# Altium PCB SJ2096POE.PcbDoc (part 1 of 5) (continued)
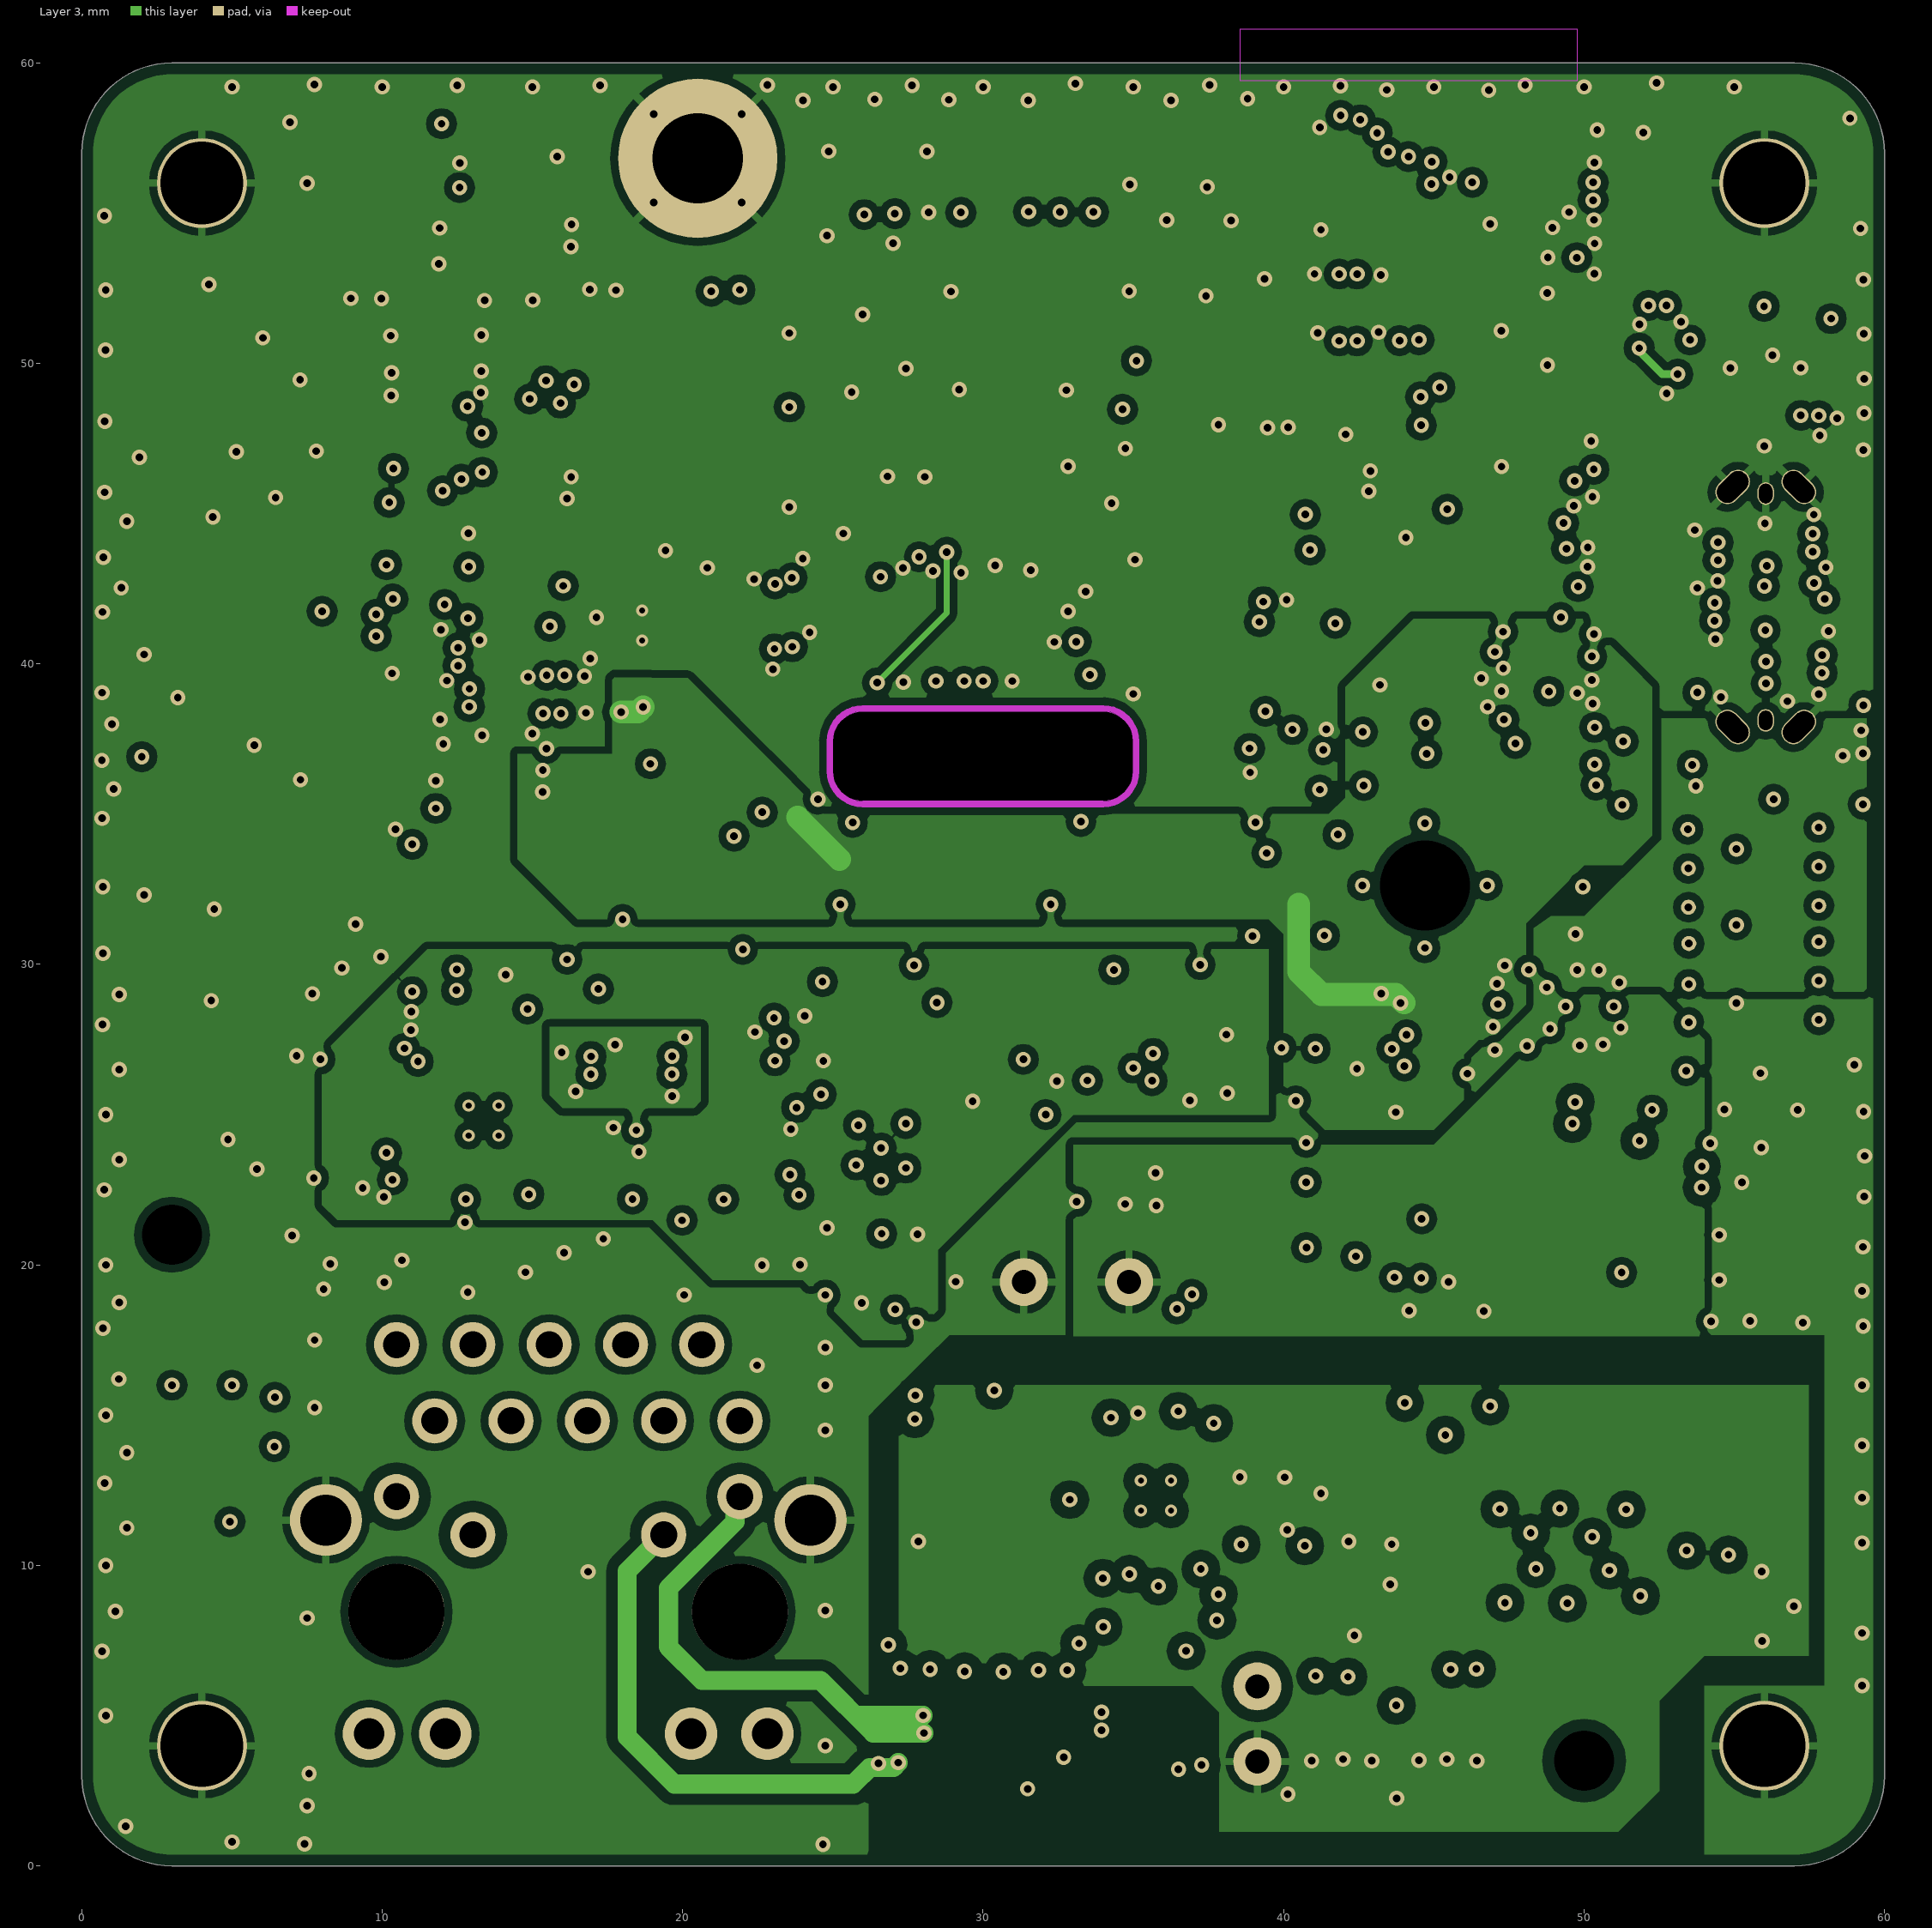
[diagram p3: Layer 3]

## Layer stack, top to bottom
Top Solder: solder mask 0.015, Solder Resist, Dk 3.8
Top Layer: signal copper 0.043
Dielectric 1: prepreg 0.21, FR-4, Dk 4.2
Layer 2: signal copper 0.036
Dielectric 2: core 1, FR-4, Dk 4.2
Layer 3: signal copper 0.036
Dielectric 3: prepreg 0.21, FR-4, Dk 4.2
Bottom Layer: signal copper 0.043
Bottom Solder: solder mask 0.015, Solder Resist, Dk 3.8

## Board outline
0,3 0,57 cw(c3,57) 3,60 57,60 cw(c57,57) 60,57 60,3 cw(c57,3) 57,0 3,0 cw(c3,3)

## Design rules (kind name [scope] priority, off if disabled: settings)
AssemblyTestPointUsage [All] p1: valid=2
BoardOutlineClearance [All] p1: gap=0.381 ignorepadtopadclearanceinfootprint=FALSE
Clearance Diff_Pair_Spacing [(InDifferentialPairClass('All Differential Pairs'))] p1: gap=0.102 ignorepadtopadclearanceinfootprint=TRUE except(0.089: Via-Via; 0.254: SMDPad-Poly THPad-Poly Via-Poly; 0.508: Arc-Poly Track-Poly Fill-Poly Poly-Poly)
Clearance PoE [InNetClass('PoE')] p2: gap=0.254 ignorepadtopadclearanceinfootprint=TRUE except(0.102: Track-SMDPad; 0.203: Arc-Track Track-Track; 0.381: Arc-Poly Track-Poly SMDPad-Poly THPad-Poly Via-Poly Fill-Poly Poly-Poly)
Clearance general [All] p3: gap=0.102 ignorepadtopadclearanceinfootprint=FALSE except(0.254: Arc-Poly Track-Poly SMDPad-Poly THPad-Poly Via-Poly Fill-Poly Poly-Poly Poly-Region Poly-Text Poly-Hole)
ComponentClearance [All] p1: gap=0 collisioncheckmode=3 verticalgap=0 showdistances=FALSE
DiffPairsRouting 85ohm [InDifferentialPairClass('85ohm')] p1: maxlimit=0.127 minlimit=0.102 mostfreqgap=0.102 toplayer_maxgap=0.102 toplayer_minwidth=0.223 toplayer_maxwidth=0.262 toplayer_prefwidth=0.223 midlayer1_maxgap=0.102 midlayer1_minwidth=0.11 midlayer1_maxwidth=0.134 midlayer1_prefwidth=0.11 midlayer2_minwidth=0.11 midlayer2_maxwidth=0.146 midlayer2_prefwidth=0.11 bottomlayer_maxgap=0.102 bottomlayer_minwidth=0.223 bottomlayer_maxwidth=0.262 bottomlayer_prefwidth=0.223 impedanceprofiledriven=TRUE impedanceprofileid={B2EF6B95-9841-4F3D-8FFB-9271AE929084} impedanceprofilevalue=85.000000 maxuncoupledlength=12.7
DiffPairsRouting 90ohm [InDifferentialPairClass('USB3')] p2: maxlimit=0.127 minlimit=0.102 mostfreqgap=0.102 toplayer_maxgap=0.102 toplayer_minwidth=0.178 toplayer_maxwidth=0.22 toplayer_prefwidth=0.178 midlayer1_maxgap=0.102 midlayer1_minwidth=0.087 midlayer1_maxwidth=0.107 midlayer1_prefwidth=0.087 midlayer2_minwidth=0.087 midlayer2_maxwidth=0.118 midlayer2_prefwidth=0.087 bottomlayer_maxgap=0.102 bottomlayer_minwidth=0.178 bottomlayer_maxwidth=0.22 bottomlayer_prefwidth=0.178 impedanceprofiledriven=TRUE impedanceprofileid={C56245C1-C5AB-4F6E-A437-C06DDAA5154F} impedanceprofilevalue=90.000000 maxuncoupledlength=12.7
DiffPairsRouting 100ohm [InDifferentialPairClass('100ohm')] p3: maxlimit=0.127 minlimit=0.102 mostfreqgap=0.102 toplayer_minwidth=0.13 toplayer_maxwidth=0.206 toplayer_prefwidth=0.13 midlayer1_minwidth=0.066 midlayer1_maxwidth=0.104 midlayer1_prefwidth=0.066 midlayer2_minwidth=0.066 midlayer2_maxwidth=0.104 midlayer2_prefwidth=0.066 bottomlayer_minwidth=0.13 bottomlayer_maxwidth=0.206 bottomlayer_prefwidth=0.13 impedanceprofiledriven=TRUE impedanceprofileid={CE2D0F07-EA82-46F5-BFF9-666C77EE5118} impedanceprofilevalue=100.000000 maxuncoupledlength=12.7
FabricationTestPointUsage [All] p1: valid=2 allowmultiple=FALSE
HoleSize [All] p1: absolutevalues=TRUE maxlimit=3.81 minlimit=0.025 maxpercent=80.000 minpercent=20.000
HoleToHoleClearance [All] p1: gap=0.254 allowstackedmicrovias=FALSE
MatchedLengths USBD_XSIG [InxSignalClass('USBD')] p1: tolerance=1.27 checknetsindiffpair=TRUE checkdiffpairvsdiffpair=FALSE checkxsignals=FALSE checkothers=FALSE
MatchedLengths USBRX_XSIG [InxSignalClass('USBRX')] p2: tolerance=0.127 checknetsindiffpair=TRUE checkdiffpairvsdiffpair=FALSE checkxsignals=FALSE checkothers=FALSE
MatchedLengths USBTX_XSIG [InxSignalClass('USBTX')] p3: tolerance=0.127 checknetsindiffpair=TRUE checkdiffpairvsdiffpair=FALSE checkxsignals=FALSE checkothers=FALSE
MatchedLengths SPI [InNetClass('QSPI')] p4: tolerance=25.4 checknetsindiffpair=FALSE checkdiffpairvsdiffpair=TRUE checkxsignals=TRUE checkothers=TRUE usedelayunits=TRUE delaytolerance=10.000000
MatchedLengths SDIO [InNetClass('SDIO')] p5: tolerance=25.4 checknetsindiffpair=FALSE checkdiffpairvsdiffpair=TRUE checkxsignals=TRUE checkothers=TRUE usedelayunits=TRUE delaytolerance=10.000000
MatchedLengths MIPI_A [InNetClass('MIPI_CAM_A')] p6: tolerance=25.4 checknetsindiffpair=FALSE checkdiffpairvsdiffpair=TRUE checkxsignals=TRUE checkothers=TRUE usedelayunits=TRUE delaytolerance=1.000000
MatchedLengths DIFF_PAIR [(InDifferentialPairClass('100ohm') or InDifferentialPairClass('85ohm'))] p7: tolerance=0.127 checknetsindiffpair=TRUE checkdiffpairvsdiffpair=FALSE checkxsignals=FALSE checkothers=FALSE
MinimumSolderMaskSliver USB3_Connector [HasFootprint('105450-0101') OR HasFootprint('TPD4E02B04DQAR')] p1: minsoldermaskwidth=0.003
MinimumSolderMaskSliver RTL8111 [HasFootprint('RTL8111HX-CG')] p2: minsoldermaskwidth=0.003
MinimumSolderMaskSliver [All] p3: minsoldermaskwidth=0.076
PlaneConnect [All] p1: pad.planeconnectstyle=Relief pad.reliefexpansion=0.508 pad.reliefentries=4 pad.reliefconductorwidth=0.254 pad.reliefairgap=0.254 via.planeconnectstyle=Direct via.reliefexpansion=0.508 via.reliefentries=4 via.reliefconductorwidth=0.254 via.reliefairgap=0.254
PolygonConnect DirectConnect [InPolygonClass('DirectConnectPoly')] p1: connectstyle=Direct reliefconductorwidth=0.254 reliefentries=4 polygonreliefangle="90 Angle" airgapwidth=0.254
PolygonConnect OuterLayerGND_PolyClass [InPolygonClass('OuterLayerGND')] p2: thpad.connectstyle=Relief thpad.reliefconductorwidth=0.254 thpad.reliefentries=4 thpad.polygonreliefangle="90 Angle" thpad.airgapwidth=0.254 smdpad.connectstyle=Relief smdpad.reliefconductorwidth=0.254 smdpad.reliefentries=4 smdpad.polygonreliefangle="90 Angle" smdpad.airgapwidth=0.254 via.connectstyle=Direct via.reliefconductorwidth=0.254 via.reliefentries=4 via.polygonreliefangle="90 Angle" via.airgapwidth=0.254
PolygonConnect PoE_Poly [InPolygonClass('PoE_Poly')] p3: thpad.connectstyle=Direct thpad.reliefconductorwidth=0.254 thpad.reliefentries=4 thpad.polygonreliefangle="90 Angle" thpad.airgapwidth=0.254 smdpad.connectstyle=Relief smdpad.reliefconductorwidth=0.254 smdpad.reliefentries=4 smdpad.polygonreliefangle="90 Angle" smdpad.airgapwidth=0.254 via.connectstyle=Direct via.reliefconductorwidth=0.254 via.reliefentries=4 via.polygonreliefangle="90 Angle" via.airgapwidth=0.254
PolygonConnect Default [All] p4: thpad.connectstyle=Relief thpad.reliefconductorwidth=0.254 thpad.reliefentries=4 thpad.polygonreliefangle="90 Angle" thpad.airgapwidth=0.254 smdpad.connectstyle=Relief smdpad.reliefconductorwidth=0.254 smdpad.reliefentries=4 smdpad.polygonreliefangle="90 Angle" smdpad.airgapwidth=0.254 via.connectstyle=Direct via.reliefconductorwidth=0.254 via.reliefentries=4 via.polygonreliefangle="90 Angle" via.airgapwidth=0.254
RoutingVias [All] p1: holewidth=0.254 width=0.508 viastyle="Through Hole" minholewidth=0.203 minwidth=0.406 maxholewidth=25.4 maxwidth=25.4 viatemplateguid#1={A1903244-CB7C-4A2A-95EA-261E7733D27A} viatemplatename#1=v41h20m0mx0
SilkToSilkClearance [All] p1: silktosilkclearance=0.025
SilkToSolderMaskClearance SilkscreenOverComponentPads2 [InComponent('U14')  OR InComponent('U1')] p1: minsilkscreentomaskgap=0.076 clearancetoexposedcopper=TRUE
SilkToSolderMaskClearance SilkscreenOverComponentPads [IsPad] p2: minsilkscreentomaskgap=0.127 clearancetoexposedcopper=TRUE
SolderMaskExpansion [All] p1: expansion=0.051 istentingtop=FALSE
UnRoutedNet [All] p1: checkbadconnections=TRUE
Width "Schematic Width Constraint_1" [InNetClass('PoE')] p1: maxlimit=1.27 minlimit=0.102 preferedwidth=0.381
Width [All] p2: maxlimit=2.54 minlimit=0.102 preferedwidth=0.152
19 further rules are at their usual default settings.

## Classes and differential pairs
component class U_RJ45: C50 D8 D9 D16 D17 D18 J1 R57 R58 R59
component class U_POWER_GEN: C10 C12 C13 C14 C17 C35 C56 C57 C58 C59 C60 L3 R68 R69 R70 R71 TP3 TP4 TP14 TP15 TP16 TP17 TP18 TP19 TP20 TP21 U9 U10 U11 U12 U13 U14
component class U_PoE_Si3404: C1 C2 C3 C4 C5 C6 C7 C8 C9 C11 C22 C23 C24 C25 C26 C33 D2 D4 D5 FB2 FB3 L1 R3 R4 R5 R8 R10 R11 R12 R13 R14 R15 R17 R18 R24 T1 TP5 TP6 TP7 TP8 TP9 TP10 TP11 TP12 TP13 U1 U2 U5
component class U_PCIE_CLK: C18 C19 C20 C27 C28 C29 C30 C31 C32 FB1 OS1 R6 R25 R26 R30 R33 R34 R35 R36 R37 R38 R39 R40 R41 R42 R43 R44 R45 R64 R65 RZ1 RZ2 U3 U7
component class U_SJ2096_USB: C51 C73 C74 C76 C207 C208 C209 C211 C212 J10 R31 R32 R183 R185 R186 R187 R190 R213 R214 RZ28 RZ29 TP40 TP41 TP42 TP43 TP44 U61 U62
component class U_SJ2096_MIPI_CAM: J9
component class U_ETH_PCIE_PHY: C15 C16 C21 C34 C36 C37 C38 C39 C40 C41 C42 C43 C44 C45 C46 C47 C48 C49 C52 C53 L2 Q1 R28 R29 R46 R47 R48 R49 R50 U4 U6 X1
component class U_CONNECTOR_B: J3 R27
component class U_CONNECTOR_A: B1 J2
component class U_BOOT_JTAG_AUX: C55 D3 D6 D7 J4 J5 J7 J8 Q2 Q3 Q4 R1 R2 R7 R9 R16 R19 R20 R21 R22 R23 R53 R54 R55 R56 R60 R61 R62 R63 R66 R67 SW1 TP1 TP2
component class TopLevel: FID1 FID2 FID3 FID4 FID5 FID6 MH1 MH2 MP1 MP2 MP3 MP4
polygon class PoE_Poly: VNEG_IN_L01_P432 VNEG_L01_P434 VPOS_IN_L01_P431
net class Power_trace: 3V3 5V_IN 5V_PoE VBUS
net class PoE: CT1 CT2 NetC6_2 SP1 SP2 SWO VNEG VNEG_IN VPOS VPOS_IN VSEC VSS
differential pair class USB3: RXB RXC TXB TXB1 TXC TXC1 USB_D USB_RX USB_TX
net class USB: USB_D_N USB_D_P USB_RX_N USB_RX_P USB_TX_N USB_TX_P
net class SDIO: sd_hst0_clk sd_hst0_cmd sd_hst0_dat_0 sd_hst0_dat_1 sd_hst0_dat_2 sd_hst0_dat_3
net class QSPI: SPI_SCK SPI_SIO0 SPI_SIO1 SPI_SIO2 SPI_SIO3 SPI_SS_0
net class MIPI_CAM_C: MIPI_RX3_C_N MIPI_RX3_C_P MIPI_RX3_D0_N MIPI_RX3_D0_P MIPI_RX3_D1_N MIPI_RX3_D1_P
net class MIPI_CAM_B: MIPI_RX2_C_N MIPI_RX2_C_P MIPI_RX2_D0_N MIPI_RX2_D0_P MIPI_RX2_D1_N MIPI_RX2_D1_P
net class MIPI_CAM_A: MIPI_RX4_C_N MIPI_RX4_C_P MIPI_RX4_D0_N MIPI_RX4_D0_P MIPI_RX4_D1_N MIPI_RX4_D1_P MIPI_RX5_D0_N MIPI_RX5_D0_P MIPI_RX5_D1_N MIPI_RX5_D1_P
differential pair class 100ohm: BRIDGE_REFCLK BRIDGE_REFCLK1 MD1 MD1_1 MD2 MD2_1 MD3 MD3_1 MD4 MD4_1 MIPI_RX2_C MIPI_RX2_D0 MIPI_RX2_D1 MIPI_RX3_C MIPI_RX3_D0 MIPI_RX3_D1 MIPI_RX4_C MIPI_RX4_D0 MIPI_RX4_D1 MIPI_RX5_D0 MIPI_RX5_D1 SDS_IO_CLKI SDS_IO_CLKI1 SDS_RXD SDS_RXD1 SDS_TXD
net class ETH: MD1_N MD1_P MD2_N MD2_P MD3_N MD3_P MD4_N MD4_P
differential pair SDS_RXD1: +SDS_RXD1_P -SDS_RXD1_N
differential pair SDS_IO_CLKI1: +SDS_IO_CLKI1_P -SDS_IO_CLKI1_N
differential pair BRIDGE_REFCLK1: +BRIDGE_REFCLK1_P -BRIDGE_REFCLK1_N
differential pair USB_TX: +USB_TX_P -USB_TX_N
differential pair TXC: +TXC_P -TXC_N
differential pair TXC1: +TXC1_P -TXC1_N
differential pair TXB: +TXB_P -TXB_N
differential pair TXB1: +TXB1_P -TXB1_N
differential pair RXC: +RXC_P -RXC_N
differential pair RXB: +RXB_P -RXB_N
differential pair BRIDGE_REFCLK: +BRIDGE_REFCLK_P -BRIDGE_REFCLK_N
differential pair USB_RX: +USB_RX_P -USB_RX_N
differential pair USB_D: +USB_D_P -USB_D_N
differential pair SDS_TXD: +SDS_TXD_P -SDS_TXD_N
differential pair SDS_RXD: +SDS_RXD_P -SDS_RXD_N
differential pair SDS_IO_CLKI: +SDS_IO_CLKI_P -SDS_IO_CLKI_N
differential pair MIPI_RX5_D1: +MIPI_RX5_D1_P -MIPI_RX5_D1_N
differential pair MIPI_RX5_D0: +MIPI_RX5_D0_P -MIPI_RX5_D0_N
differential pair MIPI_RX4_D1: +MIPI_RX4_D1_P -MIPI_RX4_D1_N
differential pair MIPI_RX4_D0: +MIPI_RX4_D0_P -MIPI_RX4_D0_N
differential pair MIPI_RX4_C: +MIPI_RX4_C_P -MIPI_RX4_C_N
differential pair MIPI_RX3_D1: +MIPI_RX3_D1_P -MIPI_RX3_D1_N
differential pair MIPI_RX3_D0: +MIPI_RX3_D0_P -MIPI_RX3_D0_N
differential pair MIPI_RX3_C: +MIPI_RX3_C_P -MIPI_RX3_C_N
differential pair MIPI_RX2_D1: +MIPI_RX2_D1_P -MIPI_RX2_D1_N
differential pair MIPI_RX2_D0: +MIPI_RX2_D0_P -MIPI_RX2_D0_N
differential pair MIPI_RX2_C: +MIPI_RX2_C_P -MIPI_RX2_C_N
differential pair MD4: +MD4_P -MD4_N
differential pair MD3: +MD3_P -MD3_N
differential pair MD2: +MD2_P -MD2_N
differential pair MD1: +MD1_P -MD1_N

## Components (designator, comment, footprint, x,y, rotation, side; value= is the part's Value field where it differs from the comment)
B1 "Off-Mom, 50mA" DTSM-32N-V 6.476,44.375 r270 bottom
C1 "1uF 1210" CAPC1210(3225)280_N 42.05,3.85 r90 bottom
C2 "12uF 6.3mm" EEU-FC2A120 39.125,4.725 r270 top
C3 "1uF 1210" CAPC1210(3225)280_N 45.5,3.89 r90 bottom
C4 "0.1UF 0805" CAPC0805(2012)145_N 50.25,12.825 r270 bottom
C5 "1nF 0603 C0G" CAPC0603(1608)100_N 52.289,18.62 r0 bottom
C6 "100uF 1206" CAPC1206(3216)190_N 44.597,22.05 r90 bottom
C7 "1000uF 8mm" ECA-0JM102 33.103,19.433 r180 top
C8 "0.1UF 0805" CAPC0805(2012)145_N 35.775,8.225 r0 bottom
C9 "22NF 0603" CAPC0603(1608)100_N 33.972,23.04 r0 bottom
C10 "10uF 0603" CAPC0603(1608)100_N 16.42,36.574 r270 bottom
C11 "1uF 0402" CAPC0402(1005)70_N 40.975,8.95 r180 top
C12 "10uF 0603" CAPC0603(1608)100_N 21.799,35.877 r90 bottom
C13 "10uF 0603" CAPC0603(1608)100_L 18.722,39.383 r0 bottom
C14 "22uF 0603" CAPC0603(1608)100_L 20.826,43.775 r0 bottom
C15 "0.1uF 0201" CAPC0201(0603)33_L 16.585,27.658 r180 top
C16 "0.1uF 0201" CAPC0201(0603)33_L 16.575,28.325 r180 top
C17 "22uF 0603" CAPC0603(1608)100_L 46.15,27.825 r90 top
C18 "0.1uF 0402" CAPC0402(1005)70_N 40.078,36.977 r0 bottom
C19 "0.1uF 0402" CAPC0402(1005)70_N 40.15,30.958 r180 bottom
C20 "0.1uF 0402" CAPC0402(1005)70_N 21.262,23.403 r270 bottom
C21 "4.7uF 0603" CAPC0603(1608)100_N 9.366,29.003 r0 top
C22 "0.1uF 0402" CAPC0402(1005)60_N 34.668,14.072 r180 bottom
C23 "2.2nF 0603" CAPC0603(1608)100_N 38.813,23.448 r180 top
C24 "10nF 0402" CAPC0402(1005)60_N 28.247,11.507 r0 top
C25 "1nF 1206" CAPC1206(3216)190_N 29.059,16.872 r90 bottom
C26 "1nF 1206" CAPC1206(3216)190_N 45.45,16.925 r90 bottom
C27 "0.1uF 0402" CAPC0402(1005)70_N 30.871,24.894 r0 top
C28 "0.1uF 0402" CAPC0402(1005)70_N 23.512,28.94 r180 top
C29 "0.1uF 0402" CAPC0402(1005)70_N 24.012,21.153 r90 bottom
C30 "0.1uF 0402" CAPC0402(1005)70_N 30.879,26.119 r0 top
C31 "0.1uF 0402" CAPC0402(1005)70_N 27.438,19.687 r270 top
C32 "10uF 0402" CAPC0402(1005)70_N 24.487,27.428 r0 top
C33 "0.1UF 0805" CAPC0805(2012)145_N 36.006,2.066 r0 bottom
C34 "0.1uF 0402" CAPC0402(1005)70_N 11.626,28.703 r270 top
C35 "22uF 0603" CAPC0603(1608)100_L 44.9,27.825 r90 top
C36 "4.7uF 0603" CAPC0603(1608)100_N 10.825,31.325 r0 bottom
C37 "0.1uF 0402" CAPC0402(1005)70_N 11.122,29.864 r0 bottom
C38 "4.7uF 0603" CAPC0603(1608)100_N 17.425,22.975 r90 bottom
C39 "4.7uF 0603" CAPC0603(1608)100_N 9.25,20.925 r90 top
C40 "0.1uF 0402" CAPC0402(1005)70_N 17.418,23.675 r180 top
C41 "0.1uF 0402" CAPC0402(1005)70_N 10.65,21.35 r90 top
C42 "0.1uF 0402" CAPC0402(1005)70_N 13.575,21.875 r90 bottom
C43 "0.1uF 0402" CAPC0402(1005)70_N 12.05,22.05 r90 bottom
C44 "0.1uF 0402" CAPC0402(1005)70_N 16.025,21.6 r90 bottom
C45 "0.1uF 0402" CAPC0402(1005)70_N 14.75,20.95 r90 bottom
C46 "1uF 0402" CAPC0402(1005)70_N 8.85,23.675 r0 bottom
C47 "1uF 0402" CAPC0402(1005)70_N 10.925,23.025 r90 bottom
C48 "27pF 0402" CAPC0402(1005)60_N 8.576,26.103 r270 top
C49 "27pF 0402" CAPC0402(1005)60_N 8.576,23.903 r90 top
C50 "0.1UF 0805" CAPC0805(2012)145_N 17.525,11.777 r90 bottom
C51 "1uF 0402" CAPC0402(1005)70_N 48.438,32.85 r0 bottom
C52 "0.1uF 0402" CAPC0402(1005)70_N 43.041,43.724 r180 bottom
C53 "0.1uF 0402" CAPC0402(1005)70_N 40.762,38.525 r180 bottom
C55 "4.7uF 0603" CAPC0603(1608)100_N 38.289,52.88 r90 bottom
C56 "22uF 0603" CAPC0603(1608)100_N 43.85,25.854 r180 bottom
C57 "22uF 0603" CAPC0603(1608)100_N 37.333,26.792 r180 bottom
C58 "10nF 0402" CAPC0402(1005)60_N 42.884,27.753 r90 bottom
C59 "10uF 0603" CAPC0603(1608)100_N 42.95,48.45 r0 bottom
C60 "10uF 0603" CAPC0603(1608)100_N 39.85,46.25 r270 bottom
C73 "10uF 0402" CAPC0402(1005)70_N 58.57,35.77 r90 top
C74 "10uF 0402" CAPC0402(1005)70_N 55.59,50.742 r90 bottom
C76 "10uF 0402" CAPC0402(1005)70_N 49.187,38.361 r0 bottom
C207 "10uF 0402" CAPC0402(1005)70_N 58.975,43.047 r270 bottom
C208 "0.1uF 0201" CAPC0201(0603)33_L 59.1,45.462 r90 top
C209 "0.1uF 0201" CAPC0201(0603)33_L 58.4,45.462 r90 top
C211 "0.1uF 0201" CAPC0201(0603)33_L 53.324,46.361 r90 top
C212 "0.1uF 0201" CAPC0201(0603)33_L 52.624,46.361 r90 top
D2 "1N4148W" 1N4148W-7-F 46.125,6.45 r0 top
D3 "ORANGE 0603" SML_D1xx8W 5.513,35.037 r180 bottom
D4 "RS1B" RS1B 53.425,11.25 r270 bottom
D5 "PDS1040" PDS1040-13 50.009,22.1 r0 bottom
D6 "RED 0603" SML_D1xx8W 5.517,33.097 r0 bottom
D7 "ORANGE 0603" SML_D1xx8W 5.75,38.5 r180 bottom
D8 "CD-HD01" CD-H01 29.825,3.525 r270 top
D9 "CD-HD01" CD-H01 29.825,3.525 r90 bottom
D16 "GREEN 0603" SML_D1xx8W 4.049,12.057 r270 bottom
D17 "TPD4E02B04DQAR" TPD4E02B04DQAR 12.8,20.3 r0 top
D18 "TPD4E02B04DQAR" TPD4E02B04DQAR 20,20.3 r0 top
FB1 "80R/100MHz" BK1608HS800-T_N 22.637,21.653 r270 bottom
FB2 "700R/150Mhz" 742792040 36.825,5.175 r90 bottom
FB3 "700R/150Mhz" 742792040 34.786,5.164 r90 bottom
FID1 "FIDUCIAL_ROUND_1MM" FIDUCIAL_ROUND_1MM 48.527,1.515 r180 top
FID2 "FIDUCIAL_ROUND_1MM" FIDUCIAL_ROUND_1MM 3.025,50.8 r0 bottom
FID3 "FIDUCIAL_ROUND_1MM" FIDUCIAL_ROUND_1MM 3.025,50.8 r180 top
FID4 "FIDUCIAL_ROUND_1MM" FIDUCIAL_ROUND_1MM 2.725,8.475 r0 bottom
FID5 "FIDUCIAL_ROUND_1MM" FIDUCIAL_ROUND_1MM 2.725,8.475 r180 top
FID6 "FIDUCIAL_ROUND_1MM" FIDUCIAL_ROUND_1MM 48.527,1.515 r0 bottom
J1 "802.3af PoE" TRJG0926HENL 16.19,8.46 r0 top locked
J2 "BW2098_A Receptacle" DF40HC-3.0-100DS-0.4V_minpad 12.6,44.725 r180 top locked
J3 "BW2098_B Receptacle" DF40HC-3.0-100DS-0.4V_minpad 49.6,47.725 r180 top locked
J4 "SFV10R-2STE1HLF Top Contact" SFV10R-2STE1HLF 44.175,55.425 r0 bottom
J5 "20021121-00010T1LF" 20021121-00010T1LF 19.655,48.775 r180 bottom
J7 "uSD push/pull" 104031-0811 30.55,50.65 r0 bottom locked
J8 "20021121-00010T1LF" 20021121-00010T1LF 12.275,55.475 r270 bottom
J9 "24-5804-030-000-829+" A12N02A-201_1.6mmbrd_MatedModule 29.994,41.228 r180 top locked
J10 "CX80B1-24P USB-C VERT" CX80B1-24P 56.045,41.895 r90 bottom locked
L1 "1uH 2.9A" DO1608C-102MLX 39.55,22.825 r180 bottom
L2 "2.2uH 0.61A 97mR" LQH32NH2R2J23L 11.029,27.717 r0 bottom
L3 "1uH, 3.2A, 20%" DFE252012P-1R0M=P2 21.525,40.825 r90 bottom
MH1 "M2, 3MM steel spacer on M2.5 mounting pad" 9774030243R#1 20.5,56.825 r135 top
MH2 "M2, 3MM steel spacer on M2.5 mounting pad" 9774030243R#2 44.7,32.625 r270 top locked
MP1 "MOUNTING_HOLE_M2.5" MOUNTING_HOLE_M2.5 4,4 r180 top
MP2 "MOUNTING_HOLE_M2.5" MOUNTING_HOLE_M2.5 56,56 r180 top
MP3 "MOUNTING_HOLE_M2.5" MOUNTING_HOLE_M2.5 4,56 r180 top
MP4 "MOUNTING_HOLE_M2.5" MOUNTING_HOLE_M2.5 56,4 r180 top
OS1 "25MHz OSC" ASDMB-25.000MHZ-LC-T 21.462,26.028 r0 bottom
Q1 "PREBIAS'd DDTC114YCA-7-F" DDTC114YCA-7-F 16.25,29.375 r270 bottom
Q2 "RE1C002UNTCL" RE1C002UNTCL 4.561,36.74 r0 bottom
Q3 "RE1C002UNTCL" RE1C002UNTCL 5.946,31.341 r90 bottom
Q4 "RE1C002UNTCL" RE1C002UNTCL 3.475,39.482 r270 bottom
R1 "10K 0402" RESC0402(1005)_N 11.7,43.25 r180 bottom
R2 "1K 0402" RESC0402(1005)_N 56.772,28.102 r180 top
R3 "10R 0603" RESC0603(1608)_N 51.985,6.756 r0 top
R4 "18K 0603" RESC0603(1608)_N 48.225,12.725 r270 bottom
R5 "6.8R 0805" RESC0805(2012)_N 48.671,18.76 r180 bottom
R6 "10K 0402" RESC0402(1005)_N 41.883,35.587 r90 bottom